# Altium PCB AccessControl_V1.0.1.PcbDoc (part 3 of 3)
Units mm, origin at the board's own origin, x right, y up, seen from the top; angles counter-clockwise.
Board outline 100 x 100 mm, 4 copper layers (Top Layer, GND, PWR, Bottom Layer), stack 1.586 mm thick; 311 components, 177 nets, 938 pads, 517 vias.
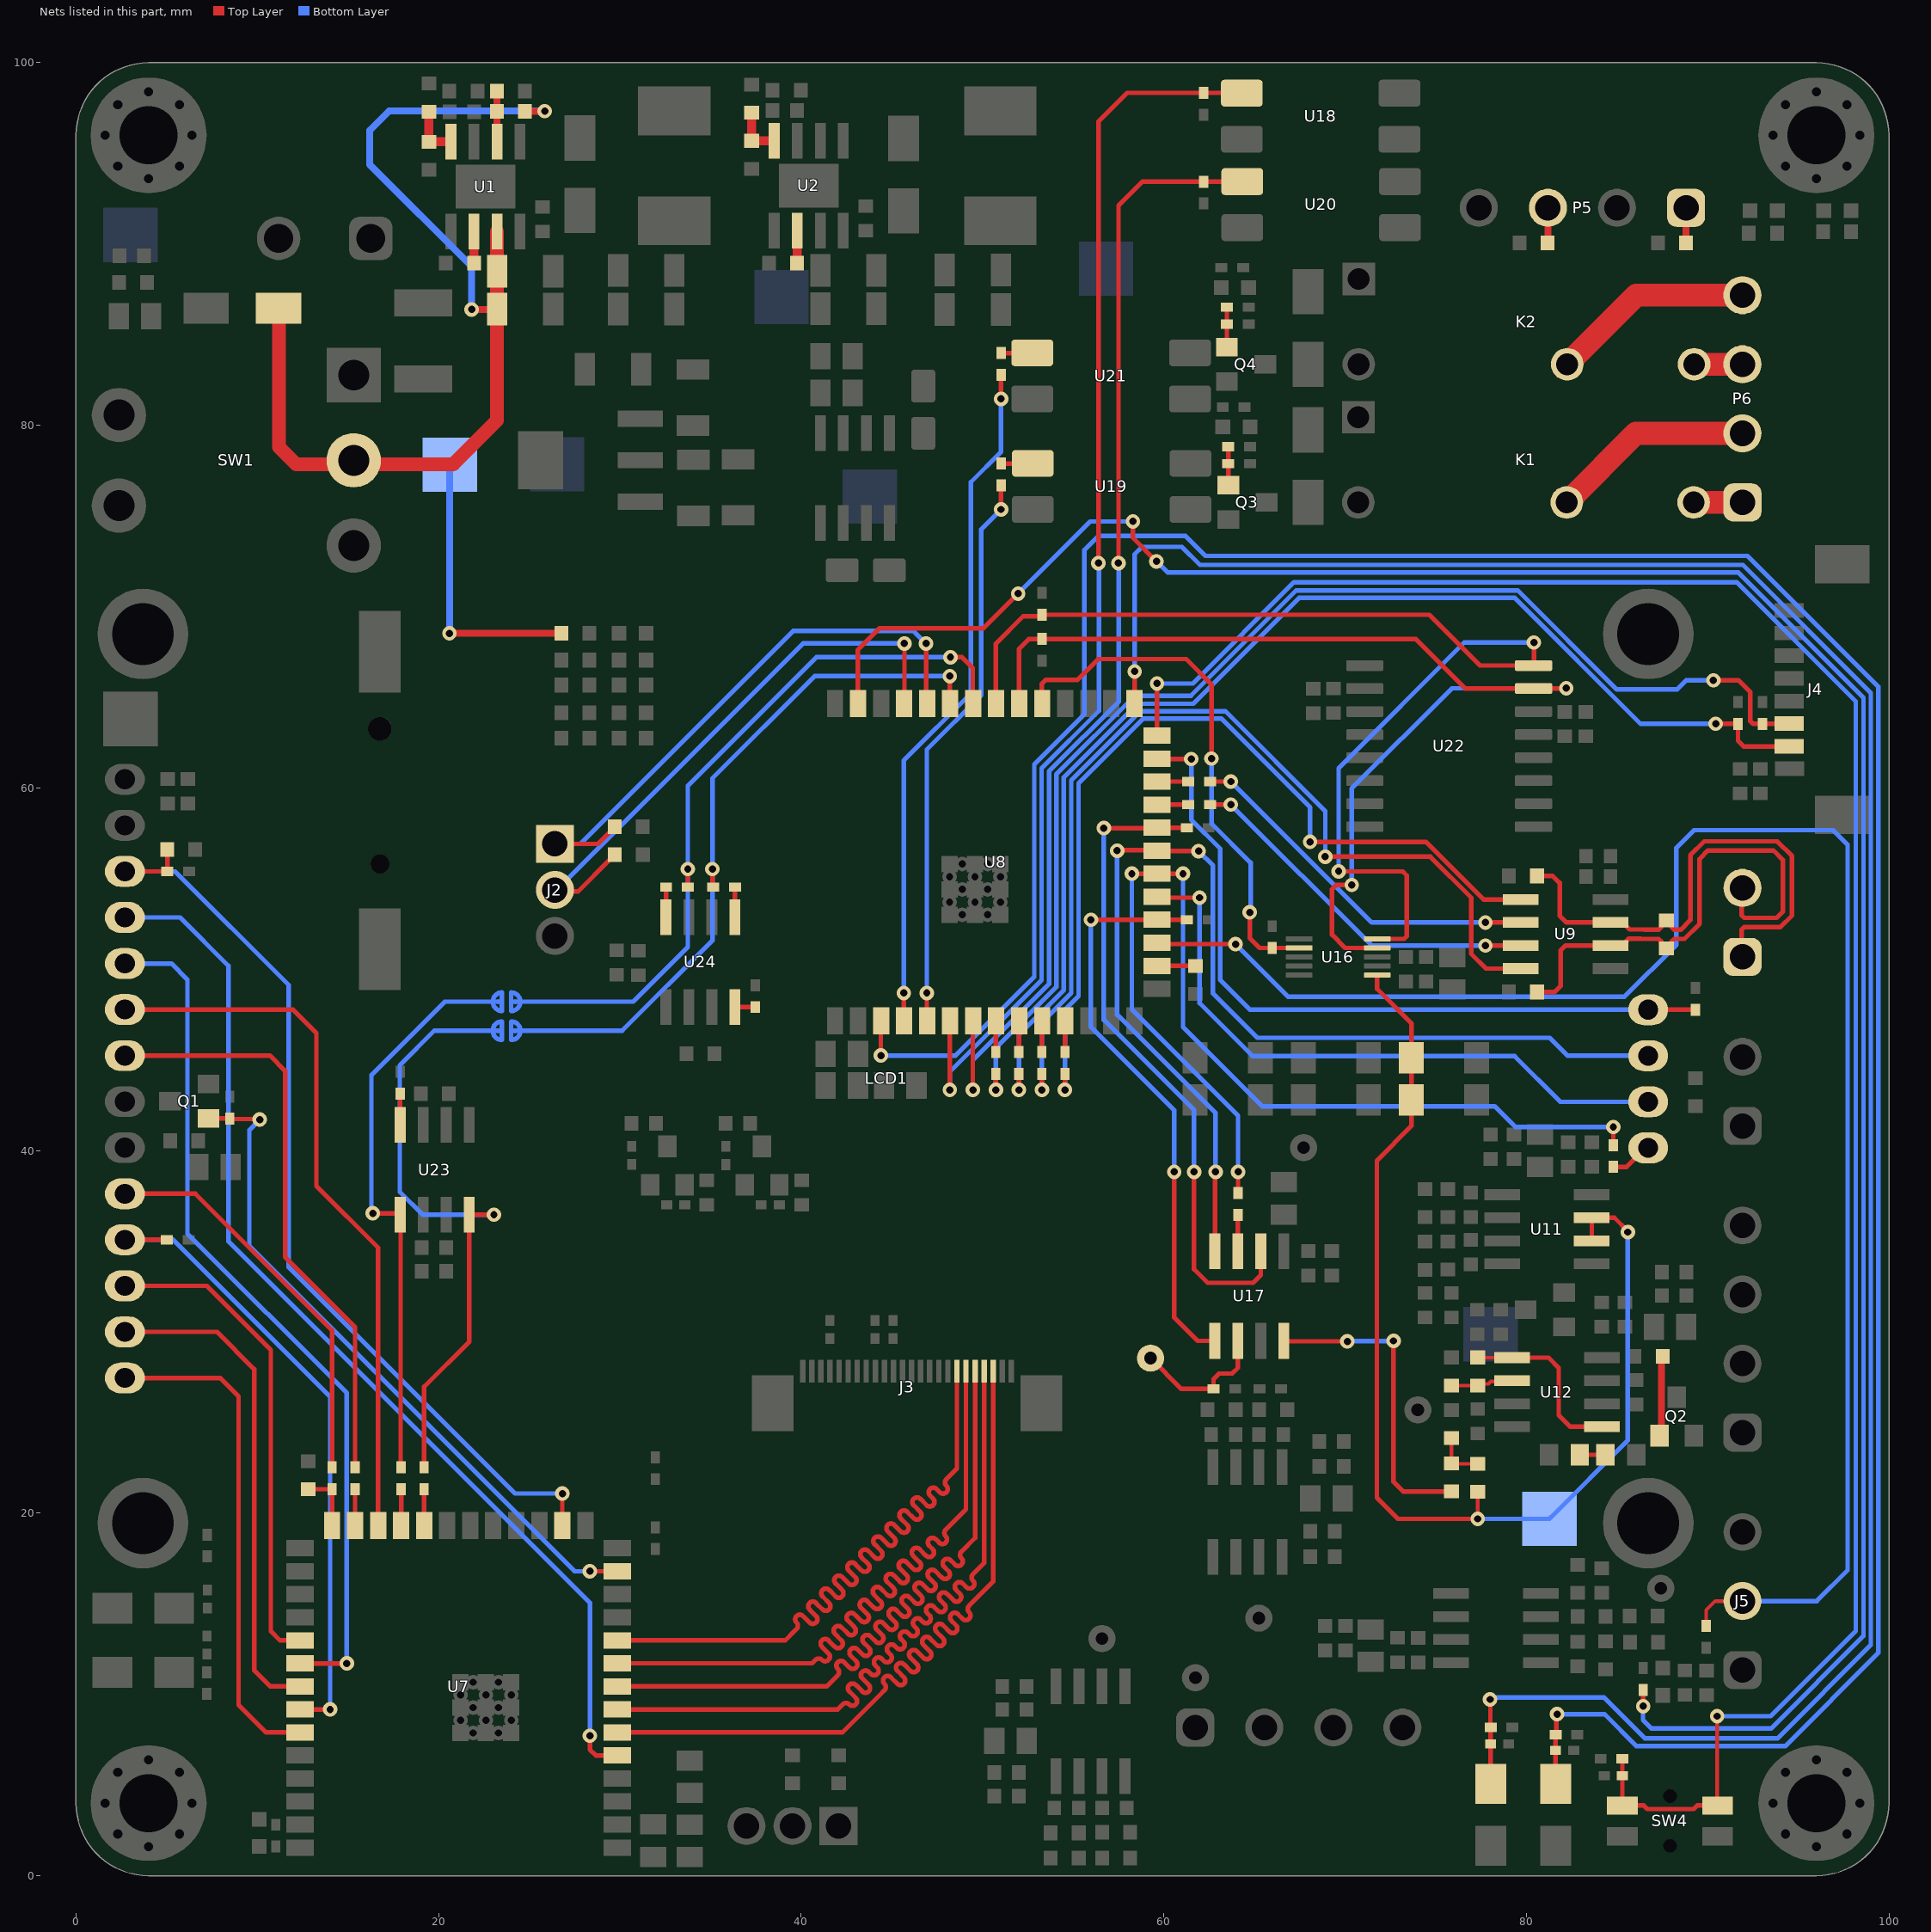
[diagram p5: the nets of this part, all layers, seen from the top]

## Via types
v1: diameter 0.8, hole 0.4, Top Layer to Bottom Layer, tented both sides, 517 vias

## Nets (pads, with @x,y where several pads share a name; then routed paths per layer and width w, separated by ;. In a path a pad name is that pad's centre, name@x,y a point inside that pad or via, vN(x,y) a via of type N, cw(c..) or ccw(c..) an arc to the next point about the centre after c; other vN are vias at no path point) (continued)
NetJ3_18: J3.18 U7.10 | length 44.8
  Top Layer w0.254: U7.10@29.859,12.984 39.121,12.984 39.654,13.517 39.744,13.607 ccw(c39.564,13.787) 39.744,13.966 cw(c39.923,14.146) 39.744,14.326 cw(c39.923,14.146) 40.103,14.326 40.462,13.966 ccw(c40.642,14.146) 40.821,13.966 ccw(c40.642,14.146) 40.821,14.326 40.462,14.685 cw(c40.642,14.864) 40.462,15.044 cw(c40.642,14.864) 40.821,15.044 41.181,14.685 ccw(c41.36,14.864) 41.54,14.685 ccw(c41.36,14.864) 41.54,15.044 41.181,15.403 cw(c41.36,15.583) 41.181,15.762 cw(c41.36,15.583) 41.54,15.762 41.899,15.403 ccw(c42.079,15.583) 42.258,15.403 ccw(c42.079,15.583) 42.258,15.762 41.899,16.122 cw(c42.079,16.301) 41.899,16.481 cw(c42.079,16.301) 42.258,16.481 42.617,16.122 ccw(c42.797,16.301) 42.977,16.122 ccw(c42.797,16.301) 42.977,16.481 42.617,16.84 cw(c42.797,17.02) 42.617,17.199 cw(c42.797,17.02) 42.977,17.199 43.336,16.84 ccw(c43.516,17.02) 43.695,16.84 ccw(c43.516,17.02) 43.695,17.199 43.336,17.559 cw(c43.516,17.738) 43.336,17.918 cw(c43.516,17.738) 43.695,17.918 44.054,17.559 ccw(c44.234,17.738) 44.414,17.559 ccw(c44.234,17.738) 44.414,17.918 44.054,18.277 cw(c44.234,18.457) 44.054,18.636 cw(c44.234,18.457) 44.414,18.636 44.773,18.277 ccw(c44.952,18.457) 45.132,18.277 ccw(c44.952,18.457) 45.132,18.636 44.773,18.995 cw(c44.952,19.175) 44.773,19.355 cw(c44.952,19.175) 45.132,19.355 45.491,18.995 ccw(c45.671,19.175) 45.85,18.995 ccw(c45.671,19.175) 45.85,19.355 45.491,19.714 cw(c45.671,19.893) 45.491,20.073 cw(c45.671,19.893) 45.85,20.073 46.21,19.714 ccw(c46.389,19.893) 46.569,19.714 ccw(c46.389,19.893) 46.569,20.073 46.21,20.432 cw(c46.389,20.612) 46.21,20.791 cw(c46.389,20.612) 46.569,20.791 46.92,20.441 ccw(c47.099,20.62) 47.279,20.441 ccw(c47.099,20.62) 47.279,20.8 47.108,20.971 cw(c47.287,21.151) 47.108,21.33 cw(c47.287,21.151) 47.467,21.33 47.646,21.151 ccw(c47.826,21.33) 48.006,21.151 ccw(c47.826,21.33) 48.006,21.51 cw(c48.185,21.689) 48.006,21.869 48.59,22.454 J3.18@48.59,27.835
NetJ3_19: J3.19 U7.9 | length 44.8
  Top Layer w0.254: U7.9@29.859,11.714 39.721,11.714 40.594,11.714 40.786,11.906 cw(c40.966,11.727) 41.145,11.906 ccw(c41.325,12.086) 41.505,11.906 ccw(c41.325,12.086) 41.505,12.266 41.145,12.625 cw(c41.325,12.804) 41.145,12.984 cw(c41.325,12.804) 41.505,12.984 41.864,12.625 ccw(c42.043,12.804) 42.223,12.625 ccw(c42.043,12.804) 42.223,12.984 41.864,13.343 cw(c42.043,13.523) 41.864,13.702 cw(c42.043,13.523) 42.223,13.702 42.582,13.343 ccw(c42.762,13.523) 42.941,13.343 ccw(c42.762,13.523) 42.941,13.702 42.582,14.062 cw(c42.762,14.241) 42.582,14.421 cw(c42.762,14.241) 42.941,14.421 43.301,14.062 ccw(c43.48,14.241) 43.66,14.062 ccw(c43.48,14.241) 43.66,14.421 43.301,14.78 cw(c43.48,14.96) 43.301,15.139 cw(c43.48,14.96) 43.66,15.139 44.019,14.78 ccw(c44.199,14.96) 44.378,14.78 ccw(c44.199,14.96) 44.378,15.139 44.019,15.498 cw(c44.199,15.678) 44.019,15.858 cw(c44.199,15.678) 44.378,15.858 44.737,15.498 ccw(c44.917,15.678) 45.097,15.498 ccw(c44.917,15.678) 45.097,15.858 44.737,16.217 cw(c44.917,16.396) 44.737,16.576 cw(c44.917,16.396) 45.097,16.576 45.456,16.217 ccw(c45.635,16.396) 45.815,16.217 ccw(c45.635,16.396) 45.815,16.576 45.456,16.935 cw(c45.635,17.115) 45.456,17.294 cw(c45.635,17.115) 45.815,17.294 46.174,16.935 ccw(c46.354,17.115) 46.533,16.935 ccw(c46.354,17.115) 46.533,17.294 46.174,17.654 cw(c46.354,17.833) 46.174,18.013 cw(c46.354,17.833) 46.533,18.013 46.893,17.654 ccw(c47.072,17.833) 47.252,17.654 ccw(c47.072,17.833) 47.252,18.013 47.062,18.203 cw(c47.241,18.383) 47.062,18.562 cw(c47.241,18.383) 47.421,18.562 47.611,18.372 ccw(c47.791,18.552) 47.97,18.372 ccw(c47.791,18.552) 47.97,18.731 cw(c48.15,18.911) 47.97,19.091 49.09,20.21 J3.19@49.09,27.835
NetJ3_20: J3.20 U7.8 | length 44.8
  Top Layer w0.254: U7.8@29.859,10.444 40.652,10.444 41.407,10.444 42.017,11.055 ccw(c41.838,11.234) 42.017,11.414 cw(c42.197,11.593) 42.017,11.773 cw(c42.197,11.593) 42.376,11.773 42.67,11.48 ccw(c42.849,11.659) 43.029,11.48 ccw(c42.849,11.659) 43.029,11.839 42.736,12.132 cw(c42.915,12.312) 42.736,12.492 cw(c42.915,12.312) 43.095,12.492 43.388,12.198 ccw(c43.568,12.378) 43.747,12.198 ccw(c43.568,12.378) 43.747,12.558 43.454,12.851 cw(c43.634,13.03) 43.454,13.21 cw(c43.634,13.03) 43.813,13.21 44.107,12.917 ccw(c44.286,13.096) 44.466,12.917 ccw(c44.286,13.096) 44.466,13.276 44.173,13.569 cw(c44.352,13.749) 44.173,13.928 cw(c44.352,13.749) 44.532,13.928 44.825,13.635 ccw(c45.005,13.815) 45.184,13.635 ccw(c45.005,13.815) 45.184,13.994 44.891,14.288 cw(c45.071,14.467) 44.891,14.647 cw(c45.071,14.467) 45.25,14.647 45.543,14.354 ccw(c45.723,14.533) 45.903,14.354 ccw(c45.723,14.533) 45.903,14.713 45.609,15.006 cw(c45.789,15.186) 45.609,15.365 cw(c45.789,15.186) 45.969,15.365 46.262,15.072 ccw(c46.441,15.252) 46.621,15.072 ccw(c46.441,15.252) 46.621,15.431 46.328,15.724 cw(c46.507,15.904) 46.328,16.084 cw(c46.507,15.904) 46.687,16.084 46.98,15.79 ccw(c47.16,15.97) 47.339,15.79 ccw(c47.16,15.97) 47.339,16.15 47.046,16.443 cw(c47.226,16.622) 47.046,16.802 cw(c47.226,16.622) 47.405,16.802 47.765,16.443 ccw(c47.944,16.622) 48.124,16.443 ccw(c47.944,16.622) 48.124,16.802 47.88,17.046 cw(c48.06,17.225) 47.88,17.405 cw(c48.06,17.225) 48.239,17.405 48.483,17.161 ccw(c48.663,17.341) 48.842,17.161 ccw(c48.663,17.341) 48.842,17.52 cw(c49.022,17.7) 48.842,17.88 49.59,18.628 J3.20@49.59,27.835
NetJ3_21: J3.21 U7.7 | length 44.8
  Top Layer w0.254: U7.7@29.859,9.174 41.308,9.174 42.016,9.174 42.29,9.448 cw(c42.47,9.269) 42.65,9.448 ccw(c42.829,9.628) 43.009,9.448 ccw(c42.829,9.628) 43.009,9.808 42.65,10.167 cw(c42.829,10.346) 42.65,10.526 cw(c42.829,10.346) 43.009,10.526 43.368,10.167 ccw(c43.548,10.346) 43.727,10.167 ccw(c43.548,10.346) 43.727,10.526 43.368,10.885 cw(c43.548,11.065) 43.368,11.244 cw(c43.548,11.065) 43.727,11.244 43.843,11.129 ccw(c44.022,11.309) 44.202,11.129 ccw(c44.022,11.309) 44.202,11.488 44.087,11.604 cw(c44.266,11.783) 44.087,11.963 cw(c44.266,11.783) 44.446,11.963 44.561,11.847 ccw(c44.741,12.027) 44.92,11.847 ccw(c44.741,12.027) 44.92,12.207 44.805,12.322 cw(c44.985,12.502) 44.805,12.681 cw(c44.985,12.502) 45.164,12.681 45.28,12.566 ccw(c45.459,12.745) 45.639,12.566 ccw(c45.459,12.745) 45.639,12.925 45.523,13.04 cw(c45.703,13.22) 45.523,13.4 cw(c45.703,13.22) 45.883,13.4 45.998,13.284 ccw(c46.178,13.464) 46.357,13.284 ccw(c46.178,13.464) 46.357,13.643 46.242,13.759 cw(c46.421,13.938) 46.242,14.118 cw(c46.421,13.938) 46.601,14.118 46.716,14.003 ccw(c46.896,14.182) 47.076,14.003 ccw(c46.896,14.182) 47.076,14.362 46.96,14.477 cw(c47.14,14.657) 46.96,14.836 cw(c47.14,14.657) 47.319,14.836 47.543,14.613 ccw(c47.723,14.793) 47.902,14.613 ccw(c47.723,14.793) 47.902,14.972 47.679,15.196 cw(c47.858,15.375) 47.679,15.555 cw(c47.858,15.375) 48.038,15.555 48.397,15.196 ccw(c48.577,15.375) 48.756,15.196 ccw(c48.577,15.375) 48.756,15.555 48.55,15.761 cw(c48.73,15.94) 48.55,16.12 cw(c48.73,15.94) 48.91,16.12 49.115,15.914 ccw(c49.295,16.094) 49.475,15.914 ccw(c49.295,16.094) 49.475,16.273 cw(c49.654,16.453) 49.475,16.633 49.922,17.08 50.09,17.248 J3.21@50.09,27.835
NetJ3_22: J3.22 U7.6 | length 44.8
  Top Layer w0.254: U7.6@29.859,7.904 42.27,7.904 44.501,10.135 44.591,10.224 ccw(c44.411,10.404) 44.591,10.584 cw(c44.77,10.763) 44.591,10.943 cw(c44.77,10.763) 44.95,10.943 45.309,10.584 ccw(c45.489,10.763) 45.668,10.584 ccw(c45.489,10.763) 45.668,10.943 45.309,11.302 cw(c45.489,11.482) 45.309,11.661 cw(c45.489,11.482) 45.668,11.661 46.027,11.302 ccw(c46.207,11.482) 46.387,11.302 ccw(c46.207,11.482) 46.387,11.661 46.027,12.02 cw(c46.207,12.2) 46.027,12.38 cw(c46.207,12.2) 46.387,12.38 46.746,12.02 ccw(c46.925,12.2) 47.105,12.02 ccw(c46.925,12.2) 47.105,12.38 46.746,12.739 cw(c46.925,12.918) 46.746,13.098 cw(c46.925,12.918) 47.105,13.098 47.464,12.739 ccw(c47.644,12.918) 47.824,12.739 ccw(c47.644,12.918) 47.824,13.098 47.464,13.457 cw(c47.644,13.637) 47.464,13.817 cw(c47.644,13.637) 47.824,13.817 48.183,13.457 ccw(c48.362,13.637) 48.542,13.457 ccw(c48.362,13.637) 48.542,13.817 48.291,14.068 cw(c48.47,14.247) 48.291,14.427 cw(c48.47,14.247) 48.65,14.427 48.901,14.176 ccw(c49.081,14.355) 49.26,14.176 ccw(c49.081,14.355) 49.26,14.535 cw(c49.44,14.715) 49.26,14.894 50.59,16.224 J3.22@50.59,27.835
NetJ4_2: J4.2 R41.1 R43.2 | length 67.2
  Top Layer w0.254: v1(52.01,43.341) R43.2@52.01,44.231 ; v1(90.449,63.539) R41.1@91.676,63.539 91.676,62.603 91.991,62.289 J4.2@94.496,62.289
  Bottom Layer w0.254: v1(52.01,43.341) 52.01,46.377 54.489,48.857 54.489,60.588 58.544,64.643 61.633,64.643 67.475,70.485 79.359,70.485 86.305,63.539 v1(90.449,63.539)
NetJ4_3: J4.3 R42.1 R44.2 | length 68.7
  Top Layer w0.254: v1(50.74,43.341) R44.2@50.74,44.231 ; v1(90.322,65.938) 91.698,65.938 92.354,65.282 92.354,63.687 92.503,63.539 R42.1@93.032,63.539 J4.3@94.496,63.539
  Bottom Layer w0.254: v1(50.74,43.341) 50.74,45.682 54.077,49.019 54.077,60.75 58.407,65.081 61.497,65.081 67.307,70.891 79.527,70.891 84.988,65.43 88.316,65.43 88.824,65.938 v1(90.322,65.938)
NetJ5_2: J5.2 R95.1 U8.17 | length 96.2
  Top Layer w0.203: R95.1@89.925,13.775 89.925,14.65 90.425,15.15 J5.2@91.875,15.15
  Top Layer w0.254: U8.17@59.61,51.459 U8.17@59.627,51.459 59.7,51.386 v1(63.96,51.386)
  Bottom Layer w0.254: v1(63.96,51.386) 66.857,48.489 85.414,48.489 88.275,51.35 88.275,56.7 89.25,57.675 96.925,57.675 97.725,56.875 97.725,16.85 96.025,15.15 J5.2@91.875,15.15
NetJ7_1: J7.1 R98.2 U23.1 | length 31.8
  Top Layer w0.254: v1(16.368,36.539) 17.806,36.539 17.908,36.437 17.908,22.546 R98.2@17.934,22.52
  Bottom Layer w0.254: v1(16.368,36.539) 16.293,36.615 16.293,44.161 20.341,48.209 22.987,48.209 J7.1@23.292,48.209
NetJ7_2: J7.2 R103.2 U8.34 | length 41.5
  Top Layer w0.254: R103.2@33.747,54.534 v1(33.747,55.524) ; v1(48.235,67.208) 48.87,67.208 49.47,66.608 U8.34@49.47,64.654
  Bottom Layer w0.254: J7.2@24.206,48.209 30.734,48.209 33.747,51.222 v1(33.747,55.524) 33.747,60.122 40.833,67.208 v1(48.235,67.208)
NetJ8_1: J8.1 R102.2 U23.4 | length 35.3
  Top Layer w0.254: R102.2@19.204,22.52 19.204,26.976 21.692,29.464 U23.4@21.692,36.463 v1(23.052,36.463)
  Bottom Layer w0.254: v1(23.052,36.463) 19.112,36.463 17.856,37.719 17.856,44.704 19.761,46.609 22.987,46.609 J8.1@23.292,46.609
NetJ8_2: J8.2 R99.2 U8.35 | length 39.9
  Top Layer w0.254: v1(35.103,55.524) 35.103,54.578 R99.2@35.147,54.534 ; U8.35@48.2,64.654 v1(48.2,66.167)
  Bottom Layer w0.254: J8.2@24.206,46.609 30.124,46.609 35.103,51.587 v1(35.103,55.524) 35.103,60.528 40.742,66.167 v1(48.2,66.167)
NetK1_3: K1.3 P6.2 | length 11.2
  Top Layer w1.27: K1.3@82.303,75.822 86.04,79.559 P6.2@91.923,79.559
NetK1_4: K1.4 P6.1 | length 2.7
  Top Layer w1.27: K1.4@89.23,75.749 P6.1@91.923,75.749
NetK2_3: K2.3 P6.4 | length 11.2
  Top Layer w1.27: K2.3@82.256,83.369 86.066,87.179 P6.4@91.923,87.179
NetK2_4: K2.4 P6.3 | length 2.7
  Top Layer w1.27: K2.4@89.256,83.369 P6.3@91.923,83.369
NetLCD1_3: LCD1.3 R20.2 R34.1 U7.16 | length 52.8
  Top Layer w0.254: LCD1.3@2.692,55.397 R34.1@5.039,55.397 5.039,56.587 R20.2@5.025,56.6 ; U7.16@26.824,19.314 v1(26.824,21.08)
  Bottom Layer w0.254: LCD1.3@2.692,55.397 5.461,55.397 11.735,49.124 11.735,33.565 24.22,21.08 v1(26.824,21.08)
NetLCD1_4: LCD1.4 U7.5 | length 60
  Top Layer w0.254: v1(28.346,7.722) 28.346,6.957 28.669,6.634 U7.5@29.859,6.634
  Bottom Layer w0.254: LCD1.4@2.692,52.857 5.74,52.857 8.407,50.19 8.407,34.993 28.346,15.054 v1(28.346,7.722)
NetLCD1_5: LCD1.5 U7.32 | length 47.8
  Top Layer w0.254: U7.32@12.359,11.709 v1(14.935,11.709)
  Bottom Layer w0.254: LCD1.5@2.692,50.317 5.258,50.317 6.147,49.428 6.147,35.412 14.935,26.624 v1(14.935,11.709)
NetLCD1_6: LCD1.6 U7.24 | length 39.7
  Top Layer w0.254: LCD1.6@2.692,47.777 11.963,47.777 13.259,46.482 13.259,38.041 16.664,34.636 U7.24@16.664,19.314
NetLCD1_7: LCD1.7 R35.2 | length 32.7
  Top Layer w0.254: LCD1.7@2.692,45.237 10.693,45.237 11.532,44.399 11.532,34.127 15.394,30.265 R35.2@15.394,22.52
NetLCD1_10: LCD1.10 R36.2 | length 22.1
  Top Layer w0.254: LCD1.10@2.692,37.617 6.583,37.617 14.124,30.076 R36.2@14.124,22.52
NetLCD1_11: LCD1.11 R33.1 U7.34 | length 36.1
  Top Layer w0.254: LCD1.11@2.692,35.077 R33.1@5.013,35.077 ; U7.34@12.359,9.174 v1(14.016,9.174)
  Bottom Layer w0.254: LCD1.11@2.692,35.077 5.359,35.077 14.016,26.421 v1(14.016,9.174)
NetLCD1_12: LCD1.12 U7.31 | length 26.9
  Top Layer w0.254: LCD1.12@2.692,32.537 7.214,32.537 10.744,29.007 10.744,13.487 11.248,12.984 U7.31@12.359,12.984
NetLCD1_13: LCD1.13 U7.33 | length 27.5
  Top Layer w0.254: LCD1.13@2.692,29.997 7.772,29.997 9.83,27.94 9.83,11.328 10.714,10.444 U7.33@12.359,10.444
NetLCD1_14: LCD1.14 U7.35 | length 27.7
  Top Layer w0.254: LCD1.14@2.692,27.457 7.95,27.457 8.966,26.441 8.966,9.423 10.486,7.904 U7.35@12.359,7.904
NetLCD1_15: LCD1.15 R37.1 U8.25 | length 41.7
  Top Layer w0.254: U8.25@59.61,61.619 U8.25@59.627,61.619 59.633,61.619 59.657,61.595 v1(61.519,61.595) ; LCD1.15@86.722,47.767 86.725,47.765 89.322,47.765 R37.1@89.325,47.762
  Bottom Layer w0.254: v1(61.519,61.595) 61.519,58.242 63.119,56.642 63.119,49.403 64.755,47.767 LCD1.15@86.722,47.767
NetLCD1_16: LCD1.16 U8.21 U17.4 | length 62.5
  Top Layer w0.254: v1(57.429,56.54) 57.455,56.566 59.6,56.566 U8.21@59.627,56.539 59.651,56.515 v1(61.925,56.515) ; U17.4@62.816,34.452 62.836,34.472 62.836,38.805 v1(62.856,38.825)
  Bottom Layer w0.254: v1(57.429,56.54) 57.429,47.496 62.856,42.069 v1(62.856,38.825) ; v1(61.925,56.515) 62.713,55.728 62.713,48.666 65.162,46.217 81.291,46.217 82.281,45.227 LCD1.16@86.722,45.227
NetLCD1_17: LCD1.17 U8.19 | length 35.2
  Top Layer w0.254: U8.19@59.61,53.999 U8.19@59.627,53.999 59.676,53.95 v1(61.976,53.95)
  Bottom Layer w0.254: v1(61.976,53.95) 61.976,48.133 64.897,45.212 79.35,45.212 81.874,42.687 LCD1.17@86.722,42.687
NetLCD1_18: LCD1.18 R38.2 | length 2.4
  Top Layer w0.254: R38.2@84.8,39.1 85.535,39.1 86.582,40.147 LCD1.18@86.722,40.147 LCD1.18@86.722,40.147 LCD1.18@86.725,40.144
NetP5_1: P5.1 R81.2 | length 1.9
  Top Layer w0.381: R81.2@88.811,90.068 P5.1@88.81,92
NetP5_3: P5.3 R87.2 | length 1.9
  Top Layer w0.381: R87.2@81.178,90.068 81.184,90.074 81.184,91.994 P5.3@81.19,92
NetQ1_1: Q1.1 R40.2 U7.13 | length 37.8
  Top Layer w0.254: Q1.1@7.308,41.773 7.314,41.767 R40.2@8.484,41.767 8.514,41.737 10.104,41.737 v1(10.135,41.707) ; v1(28.346,16.794) U7.13@29.859,16.794
  Bottom Layer w0.254: v1(10.135,41.707) 9.557,41.129 9.557,34.743 27.506,16.794 v1(28.346,16.794)
NetQ2_1: Q2.1 R59.2 | length 4.5
  Top Layer w0.381: Q2.1@87.348,24.271 87.447,24.37 87.447,28.578 R59.2@87.52,28.651
NetQ3_1: Q3.1 R83.2 R85.2 | length 2.1
  Top Layer w0.254: Q3.1@63.558,76.699 R85.2@63.558,77.883 R83.2@63.558,78.822
NetQ4_1: Q4.1 R92.2 R93.2 | length 2.2
  Top Layer w0.254: Q4.1@63.481,84.319 R93.2@63.481,85.579 R92.2@63.481,86.519
NetR1_1: R1.1 R4.2 U1.4 | length 2.9
  Top Layer w0.508: R4.2@19.464,97.306 R1.1@19.464,95.642 U1.4@20.684,95.642
NetR2_1: R2.1 R5.2 U2.4 | length 2.8
  Top Layer w0.508: R5.2@37.27,97.244 R2.1@37.27,95.694 38.513,95.694 U2.4@38.514,95.693
NetR3_1: R3.1 R6.2 U1.2 | length 2.8
  Top Layer w0.381: R6.2@23.211,98.436 23.217,98.43 23.217,95.655 23.224,95.649 U1.2@23.224,95.642
NetR7_2: R7.2 U1.6 | length 1.8
  Top Layer w0.508: R7.2@21.954,88.886 R7.2@21.954,88.951 U1.6@21.954,90.692
NetR9_2: R9.2 U2.6 | length 1.8
  Top Layer w0.508: R9.2@39.772,88.951 39.778,88.957 39.778,90.737 U2.6@39.784,90.743
NetR19_2: R19.2 R36.1 U7.26 | length 3.3
  Top Layer w0.254: R19.2@12.8,21.32 R36.1@14.124,21.32 U7.26@14.124,19.314
NetR24_2: R24.2 U8.16 | length 2.1
  Top Layer w0.254: U8.16@59.627,50.189 R24.2@61.747,50.189
NetR35_1: R35.1 U7.25 | length 2
  Top Layer w0.254: U7.25@15.394,19.314 R35.1@15.394,21.32
NetR38_1: R38.1 R80.1 U8.20 | length 58.3
  Top Layer w0.254: v1(58.242,55.269) U8.20@59.627,55.269 v1(61.063,55.269) ; R80.1@64.1,37.65 v1(64.1,38.825) ; R38.1@84.8,40.3 v1(84.8,41.3)
  Bottom Layer w0.254: v1(58.242,55.269) 58.242,47.783 64.1,41.925 v1(64.1,38.825) ; v1(61.063,55.269) 61.063,46.815 65.435,42.443 78.257,42.443 79.401,41.3 v1(84.8,41.3)
NetR43_1: R43.1 U8.9 | length 1.7
  Top Layer w0.254: R43.1@52.01,45.431 U8.9@52.01,47.154
NetR44_1: R44.1 U8.8 | length 1.7
  Top Layer w0.254: R44.1@50.74,45.431 U8.8@50.74,47.154
NetR46_1: R46.1 U8.11 | length 1.7
  Top Layer w0.254: R46.1@54.55,45.431 U8.11@54.55,47.154
NetR46_2: R46.2 U9.1 | length 49.2
  Top Layer w0.254: v1(54.55,43.341) R46.2@54.55,44.231 ; v1(68.072,57.023) 74.463,57.023 77.638,53.848 U9.1@79.694,53.848
  Bottom Layer w0.254: v1(54.55,43.341) 54.55,47.768 55.302,48.52 55.302,60.252 58.881,63.83 63.17,63.83 68.072,58.928 v1(68.072,57.023)
NetR47_1: R47.1 U8.24 | length 1.7
  Top Layer w0.254: U8.24@59.61,60.349 U8.24@59.627,60.349 59.629,60.35 R47.1@61.351,60.35
NetR47_2: R47.2 U9.2 | length 20.3
  Top Layer w0.254: R47.2@62.551,60.35 v1(63.703,60.35) ; v1(77.748,52.578) U9.2@79.694,52.578
  Bottom Layer w0.254: v1(63.703,60.35) 71.476,52.578 77.716,52.578 v1@77.718,52.581
NetR49_1: R49.1 U8.23 | length 1.7
  Top Layer w0.254: U8.23@59.61,59.079 U8.23@59.627,59.079 59.629,59.08 R49.1@61.351,59.08
NetR49_2: R49.2 U9.3 | length 20.4
  Top Layer w0.254: R49.2@62.551,59.08 v1(63.703,59.08) ; v1(77.748,51.308) U9.3@79.694,51.308
  Bottom Layer w0.254: v1(63.703,59.08) 71.476,51.308 v1(77.748,51.308)
NetR50_1: R50.1 U8.10 | length 1.7
  Top Layer w0.254: R50.1@53.28,45.431 U8.10@53.28,47.154
NetR50_2: R50.2 U9.4 | length 54.2
  Top Layer w0.254: v1(53.28,43.341) R50.2@53.28,44.231 ; v1(68.91,56.21) 74.701,56.21 76.962,53.95 76.962,50.851 77.775,50.038 U9.4@79.694,50.038
  Bottom Layer w0.254: v1(53.28,43.341) 53.28,47.073 54.896,48.689 54.896,60.42 58.712,64.237 63.398,64.237 68.91,58.725 v1(68.91,56.21)
NetR56_1: R56.1 U17.8 | length 17.3
  Top Layer w0.254: U17.8@66.626,29.502 66.653,29.475 v1(70.125,29.475) ; v1(72.675,29.5) 72.675,21.725 73.204,21.196 R56.1@75.87,21.196
  Bottom Layer w0.254: v1(70.125,29.475) 70.138,29.488 72.663,29.488 v1(72.675,29.5)
NetR56_2: R56.2 R57.2 R58.1 | length 2.9
  Top Layer w0.203: R58.1@75.87,24.143 R56.2@75.87,22.746 75.895,22.72 R57.2@77.318,22.72
NetR60_1: R60.1 R61.2 U12.2 | length 3.5
  Top Layer w0.203: R61.2@75.87,27.038 R60.1@77.318,27.038 ; R60.1@77.318,27.013 77.44,27.135 77.91,27.135 78.041,27.266 79.172,27.266 U12.2@79.211,27.305
NetR60_2: R60.2 U12.1 U12.5 | length 10
  Top Layer w0.203: R60.2@77.318,28.588 77.33,28.575 U12.1@79.211,28.575
  Top Layer w0.254: U12.1@79.211,28.575 81.229,28.575 81.788,28.016 81.788,25.4 82.423,24.765 U12.5@84.161,24.765
NetR62_1: R62.1 R63.1 | length 1.4
  Top Layer w0.254: R63.1@82.949,23.216 R62.1@84.357,23.216
NetR74_1: R74.1 TP16.1 U17.6 | length 7.8
  Top Layer w0.254: TP16.1@59.275,28.55 60.971,26.854 R74.1@62.746,26.854 62.746,27.396 63.05,27.7 63.775,27.7 64.086,28.011 U17.6@64.086,29.502
NetR77_1: R77.1 U8.31 U16.2 | length 29.5
  Top Layer w0.254: U8.31@53.28,64.654 53.28,65.751 53.492,65.964 55.245,65.964 56.388,67.107 61.239,67.107 62.636,65.71 v1(62.636,61.62) ; v1(64.745,53.137) 64.745,51.717 65.289,51.173 R77.1@65.989,51.173 U16.2@67.471,51.173
  Bottom Layer w0.254: v1(62.636,61.62) 62.636,58.039 64.795,55.88 64.795,53.188 v1(64.745,53.137)
NetR78_1: R78.1 U8.22 U17.2 | length 36.5
  Top Layer w0.254: v1(56.693,57.785) 59.586,57.785 59.61,57.809 U8.22@59.627,57.809 R78.1@61.274,57.809 ; v1(61.675,38.825) 61.675,33.45 62.425,32.7 64.925,32.7 65.356,33.131 U17.2@65.356,34.452
  Bottom Layer w0.254: v1(56.693,57.785) 56.693,47.207 61.675,42.225 v1(61.675,38.825)
NetR79_1: R79.1 U8.18 U17.5 | length 31.9
  Top Layer w0.254: v1(55.982,52.729) U8.18@59.627,52.729 R79.1@61.274,52.729 ; v1(60.575,38.825) 60.575,30.8 61.873,29.502 U17.5@62.816,29.502
  Bottom Layer w0.254: v1(55.982,52.729) 55.982,46.818 60.575,42.225 v1(60.575,38.825)
NetR80_2: R80.2 U17.3 | length 2
  Top Layer w0.254: U17.3@64.086,34.452 64.093,34.459 64.093,36.443 R80.2@64.1,36.45
NetR82_1: R82.1 U8.5 | length 31.2
  Top Layer w0.254: U8.5@46.93,47.154 v1(46.93,48.692) ; v1(51.029,75.362) R82.1@51.029,76.692
  Bottom Layer w0.254: v1(46.93,48.692) 46.93,62.119 49.936,65.126 49.936,74.27 v1(51.029,75.362)
NetR82_2: R82.2 U19.1 | length 1.7
  Top Layer w0.254: R82.2@51.029,77.892 52.765,77.892 U19.1@52.775,77.902
NetR84_2: R84.2 U8.6 U18.3 | length 69.2
  Top Layer w0.254: v1(48.2,43.341) U8.6@48.2,47.154 ; v1(56.4,72.4) 56.4,96.761 57.979,98.339 R84.2@62.205,98.339 64.29,98.339 U18.3@64.306,98.323
  Bottom Layer w0.254: v1(48.2,43.341) 48.2,44.339 53.264,49.403 53.264,61.087 56.428,64.252 56.428,72.372 v1(56.4,72.4)
NetR88_2: R88.2 U8.7 U20.3 | length 63.3
  Top Layer w0.254: v1(49.47,43.341) U8.7@49.47,47.154 ; v1(57.5,72.4) 57.506,72.406 57.506,92.126 58.817,93.437 R88.2@62.205,93.437 64.322,93.437 U20.3@64.332,93.447
  Bottom Layer w0.254: v1(49.47,43.341) 49.47,44.987 53.67,49.187 53.67,60.919 57.521,64.769 57.521,72.379 v1(57.5,72.4)
NetR91_1: R91.1 U8.4 | length 37.9
  Top Layer w0.254: U8.4@45.66,47.154 v1(45.66,48.692) ; v1(51.029,81.458) R91.1@51.029,82.788
  Bottom Layer w0.254: v1(45.66,48.692) 45.66,61.509 49.36,65.209 49.36,76.868 51.029,78.537 v1(51.029,81.458)
NetR91_2: R91.2 U21.1 | length 1.7
  Top Layer w0.254: R91.2@51.029,83.988 52.74,83.988 U21.1@52.749,83.998
NetR96_1: R96.1 U8.33 U16.10 U22.16 | length 64.3
  Top Layer w0.254: U8.33@50.74,64.654 50.74,67.961 52.253,69.474 R96.1@53.315,69.474 ; R96.1@53.315,69.555 74.641,69.555 77.445,66.751 U22.16@80.398,66.751 80.416,66.77 v1(80.416,68.021) ; v1(69.647,55.397) 73.177,55.397 73.406,55.169 73.406,51.822 73.257,51.673 U16.10@71.771,51.673
  Bottom Layer w0.254: v1(69.647,55.397) 69.647,61.087 76.581,68.021 v1(80.416,68.021)
NetR97_1: R97.1 U8.32 U16.9 U22.15 | length 60.5
  Top Layer w0.254: U8.32@52.01,64.654 52.01,67.656 52.568,68.215 R97.1@53.289,68.215 73.898,68.215 76.622,65.491 U22.15@80.398,65.491 ; v1(70.369,54.646) 69.505,54.646 69.282,54.423 69.282,52.934 69.282,51.902 70.01,51.173 U16.9@71.771,51.173 ; U22.15@80.398,65.491 82.191,65.491 v1(82.2,65.5)
  Bottom Layer w0.254: v1(70.369,54.646) 70.369,59.969 75.9,65.5 v1(82.2,65.5)
NetR98_1: R98.1 U7.23 | length 2
  Top Layer w0.254: U7.23@17.934,19.314 R98.1@17.934,21.32
NetR99_1: R99.1 U24.1 | length 1.7
  Top Layer w0.254: U24.1@36.347,52.869 R99.1@36.347,54.534
NetR102_1: R102.1 U7.22 | length 2
  Top Layer w0.254: U7.22@19.204,19.314 R102.1@19.204,21.32
NetR103_1: R103.1 U24.4 | length 1.7
  Top Layer w0.254: U24.4@32.537,52.869 32.542,52.873 32.542,54.529 R103.1@32.547,54.534
NetR104_1: R104.1 U23.8 | length 1
  Top Layer w0.254: R104.1@17.882,43.139 17.882,42.367 U23.8@18.016,42.233
NetR105_1: R105.1 U24.8 | length 1.1
  Top Layer w0.254: U24.8@36.347,47.919 36.352,47.914 R105.1@37.465,47.914
RS485_N: P2.1 R48.1 R51.1 U9.7 | length 29.3
  Top Layer w0.254: R51.1@80.59,55.143 81.458,55.143 81.839,54.762 81.839,52.959 82.22,52.578 U9.7@84.644,52.578 85.329,52.578 85.71,52.197 86.496,52.197 86.514,52.179 87.297,52.179 87.446,52.328 87.446,52.446 87.7,52.7 R48.1@87.725,52.7 87.75,52.7 88.004,52.446 88.004,52.328 88.153,52.179 88.512,52.179 89.05,52.717 89.05,56.293 89.815,57.058 93.842,57.058 94.658,56.242 94.658,52.965 94.022,52.329 92.023,52.329 91.875,52.18 P2.1@91.875,50.678
RS485_P: P2.2 R45.1 R48.2 U9.6 | length 27.7
  Top Layer w0.254: R45.1@80.59,48.743 81.559,48.743 81.89,49.073 81.89,51.029 82.169,51.308 U9.6@84.644,51.308 85.329,51.308 85.502,51.481 85.502,51.54 85.651,51.689 86.285,51.689 86.303,51.671 87.297,51.671 87.446,51.522 87.446,51.404 87.7,51.15 R48.2@87.725,51.15 87.75,51.15 88.004,51.404 88.004,51.522 88.153,51.671 88.723,51.671 89.558,52.506 89.558,56.083 90.025,56.55 93.632,56.55 94.15,56.032 94.15,53.175 93.812,52.837 92.023,52.837 91.875,52.985 P2.2@91.875,54.488
VCC: C3.2 C4.2 D3.1 R3.2 R11.2 SW1.2 TP4.1 U1.7 | length 76.7
  Top Layer w0.381: v1(20.6,68.525) R11.2@26.775,68.525 ; v1(21.821,86.391) 23.193,86.391 C3.2@23.224,86.422 ; R3.2@24.76,97.319 24.767,97.326 25.85,97.326 v1(25.857,97.333)
  Top Layer w0.762: D3.1@11.201,86.081 11.201,78.791 12.134,77.858 20.81,77.858 23.224,80.272 C3.2@23.224,86.422 C4.2@23.224,88.505 ; U1.7@23.224,90.692 23.224,88.534 C4.2@23.253,88.505
  Bottom Layer w0.254: SW1.2@15.316,77.858 SW1.2@15.816,77.858
  Bottom Layer w0.381: TP4.1@20.592,77.858 20.6,77.85 v1(20.6,68.525) ; v1(21.821,86.391) 21.821,88.771 16.205,94.386 16.205,96.266 17.272,97.333 v1(25.857,97.333)
  Bottom Layer w0.762: SW1.2@15.816,77.858 TP4.1@20.592,77.858
Vref_0.75V: D15.A D16.C R57.1 TP9.1 U11.6 U11.7 U16.6 | length 63
  Top Layer w0.203: v1(77.318,19.685) R57.1@77.318,21.171
  Top Layer w0.254: U16.6@71.771,49.673 71.771,48.911 73.663,47.019 D15.A@73.663,45.11 D16.C@73.663,42.799 73.663,41.355 71.755,39.446 71.755,20.845 72.915,19.685 v1(77.318,19.685) ; U11.6@83.611,35.02 U11.7@83.611,36.29 83.615,36.295 84.857,36.295 85.6,35.552 v1(85.6,35.5)
  Bottom Layer w0.254: v1(77.318,19.685) 81.271,19.685 TP9.1@81.275,19.689 ; TP9.1@81.33,19.745 85.6,24.014 v1(85.6,35.5)
WF_EN: C38.2 R27.1 SW6.2 U8.3 | length 162.2
  Top Layer w0.254: U8.3@44.39,47.154 44.396,47.147 v1(44.396,45.242) ; SW6.2@81.615,5.058 C38.2@81.615,6.914 R27.1@81.615,7.778 81.658,7.821 81.658,8.867 v1(81.702,8.91)
  Bottom Layer w0.254: v1(44.396,45.242) 48.518,45.242 52.857,49.581 52.857,61.297 55.626,64.065 55.626,73.127 56.399,73.9 61.2,73.9 62.3,72.8 92.198,72.8 99.413,65.586 99.413,12.288 94.275,7.15 86.075,7.15 84.315,8.91 v1(81.702,8.91)
WF_FLASH: C37.2 R26.1 SW5.2 U8.27 | length 133.7
  Top Layer w0.254: U8.27@58.365,64.649 58.395,64.678 v1(58.395,66.427) ; v1(78,9.725) 78.017,9.708 78.017,8.201 R26.1@78.033,8.184 C37.2@78.033,7.27 SW5.2@78.033,5.058
  Bottom Layer w0.254: v1(58.395,66.427) 58.395,72.895 58.8,73.3 61,73.3 62,72.3 91.95,72.3 99.006,65.244 99.006,12.731 93.85,7.575 86.55,7.575 84.3,9.825 78.1,9.825 v1(78,9.725)
WF_LED_STATUS: R28.1 U8.39 | length 133.8
  Top Layer w0.254: U8.39@43.12,64.654 43.12,67.605 44.323,68.809 50.053,68.809 v1(51.966,70.722) ; v1(58.3,74.7) 58.293,74.693 58.293,73.807 v1(59.6,72.5) ; v1(86.45,9.35) R28.1@86.45,10.25
  Bottom Layer w0.254: v1(51.966,70.722) 55.945,74.7 v1(58.3,74.7) ; v1(59.6,72.5) 60.206,71.894 91.681,71.894 97.025,66.55 98.6,64.975 98.6,13.225 93.496,8.121 86.904,8.121 86.433,8.592 86.433,9.333 v1(86.45,9.35)
WF_RXD: J2.2 R30.1 U8.37 | length 32.5
  Top Layer w0.254: J2.2@26.416,54.375 26.499,54.292 27.698,54.292 29.439,56.032 29.464,56.032 29.718,56.286 R30.1@29.718,56.312 ; U8.37@45.677,64.654 45.695,64.671 v1(45.695,67.97)
  Bottom Layer w0.254: J2.2@26.416,54.276 27.745,55.606 40.11,67.97 v1(45.695,67.97)
WF_SW_STATUS: C36.2 R25.1 SW4.1 SW4.2 U8.26 | length 120.2
  Top Layer w0.203: v1(90.525,8.8) 90.525,3.897 SW4.2@90.55,3.872
  Top Layer w0.254: U8.26@59.627,62.889 v1(59.627,65.761) ; R25.1@85.3,6.453 C36.2@85.3,5.525 SW4.1@85.3,3.872 86.478,3.872 86.675,3.675 89.225,3.675 89.422,3.872 SW4.2@90.55,3.872
  Bottom Layer w0.254: v1@59.69,65.761 61.601,65.761 67.189,71.349 91.601,71.349 98.175,64.775 98.175,13.5 93.475,8.8 v1(90.525,8.8)
WF_TXD: J2.1 R29.1 U8.36 | length 32.7
  Top Layer w0.254: J2.1@26.416,56.915 28.784,56.915 29.705,57.836 R29.1@29.705,57.861 ; v1(46.888,67.97) 46.888,64.712 U8.36@46.947,64.654
  Bottom Layer w0.254: J2.1@26.416,56.915 27.815,56.915 39.556,68.656 46.203,68.656 v1(46.888,67.97)
pads on no net: H1.1 H2.1 H3.1 H4.1 J3.1 J3.6 J3.8 J3.23 J3.24 J4.5 J4.6 J4.7 J4.8 J6. LCD1.9 LCD1.NC SW1.3 SW4.5 SW4.6 U2.2 U5.1 U5.7 U7.4 U7.28 U7.29 U7.30 U7.38 U8.12 U8.13 U8.14 U8.15 U8.28 U8.29 U8.30 U8.38 U16.7 U22.1 U22.3 U22.4 U22.5 U22.6 U22.7 U22.8 U22.9 U22.10 U22.11 U22.12 U23.5 U24.5

## Polygon pours and split planes (outlines as drawn)
GND on Top Layer "GND_L01_P057" (solid, remove dead copper, pour order 57): 53.768,85.268 55.368,85.268 55.975,85.875 55.975,91.175 56.55,91.75 62.575,91.75 62.8,91.975 62.775,92 62.775,96.222 63.236,96.682 67.293,96.682 67.3,96.675 67.425,96.8 67.425,98.925 67.437,98.937 67.437,100 4,100 ccw(c4,96) 0,96 0,4 ccw(c4,4) 4,0 96,0 ccw(c96,4) 100,4 100,73.431 94.615,73.431 93.955,72.771 58.598,72.771 57.937,73.431 50.8,73.431 50.089,74.143 50.089,85.039 50.317,85.268
VCC on Top Layer "VCC_L01_P027" (solid, remove dead copper, pour order 27): 23.647,89.941 23.698,89.941 cw(c23.698,89.764) 23.876,89.764 23.876,76.124 cw(c23.52,76.124) 23.52,75.768 12.852,75.768 cw(c12.852,76.048) 12.573,76.048 12.573,80.112 cw(c12.776,80.112) 12.776,80.315 21.057,80.315 ccw(c21.057,80.62) 21.361,80.62 21.361,86.589 cw(c21.692,86.589) 21.692,86.919 22.377,86.919 ccw(c22.377,87.02) 22.479,87.02 22.479,89.789 cw(c22.631,89.789) 22.631,89.941 23.647,89.941 ccw(c23.647,89.967) 23.673,89.967
NetC1_2 on Top Layer "NETC1_2_L01_P004" (solid, remove dead copper, pour order 4): 26.841,97.072 cw(c27.163,96.751) 27.163,97.206 30.607,97.206 30.879,97.478 30.879,98.545 cw(c31.115,98.545) 31.115,98.781 34.9,98.781 cw(c34.9,98.577) 35.103,98.577 35.103,94.971 cw(c34.646,94.971) 34.646,94.513 26.725,94.513 ccw(c26.725,94.052) 26.264,94.052 26.264,91.872 cw(c26.01,91.872) 26.01,91.618 25.476,91.618 cw(c25.476,91.897) 25.197,91.897 25.197,94.134 ccw(c24.741,94.134) 24.741,94.59 24.181,94.59 cw(c24.181,94.793) 23.978,94.793 23.978,96.444 cw(c24.206,96.444) 24.206,96.672 26.064,96.672 ccw(c26.064,97.583) 26.708,96.939
NetC2_2 on Top Layer "NETC2_2_L01_P006" (solid, remove dead copper, pour order 6): 53.137,94.64 cw(c52.984,94.64) 52.984,94.488 52.565,94.488 44.298,94.488 ccw(c44.298,94.336) 44.145,94.336 44.145,91.707 cw(c44.044,91.707) 44.044,91.605 43.142,91.605 cw(c43.142,91.694) 43.053,91.694 43.053,94.431 ccw(c42.907,94.431) 42.907,94.577 42.062,94.577 cw(c42.062,94.729) 41.91,94.729 41.91,97.003 cw(c42.088,97.003) 42.088,97.18 43.586,97.18 48.527,97.18 ccw(c48.527,97.422) 48.768,97.422 48.768,98.565 cw(c49.06,98.565) 49.06,98.857 52.819,98.857 cw(c52.819,98.539) 53.137,98.539
GND on Top Layer "GND_L01_P058" (solid, remove dead copper, pour order 58): 75.438,90.018 75.895,90.018 cw(c75.895,89.764) 76.124,89.874 76.124,89.332 76.124,74.498 cw(c74.625,74.498) 74.625,73 59.665,73 58.141,74.524 58.141,88.849 58.141,89.383 cw(c58.776,89.383) 58.776,90.018 59.309,90.018
3V3 on Top Layer "3V3_L01_P061" (solid, remove dead copper, pour order 61): 52.85,21.5 53.175,21.825 55.075,21.825 55.35,21.55 55.35,19.45 55.1,19.2 53.1,19.2 52.85,19.45
5V on Top Layer "5V_L01_P047" (solid, remove dead copper, pour order 47): 32.893,78.613 33.02,78.74 33.274,78.74 35.433,78.74 35.814,79.121 35.814,83.947 35.941,84.074 38.354,84.074 38.481,83.947 38.481,77.343 38.354,77.216 30.226,77.216 30.099,77.343 30.099,78.486 30.226,78.613
12V on Top Layer "12V_L01_P053" (solid, remove dead copper, pour order 53): 67.8,27 68,27.2 70.3,27.2 70.5,27 70.5,25 70.3,24.8 68,24.8 67.8,25 67.8,26.4
NetC75_2 on Top Layer "NETC75_2_L01_P049" (solid, remove dead copper, pour order 49): 53.68,6.412 53.739,6.471 54.357,6.471 54.442,6.386 54.442,1.941 54.365,1.865 53.222,1.865 53.146,1.941 53.146,3.084 53.375,3.313 53.375,4.329 53.68,4.634
3V3 on Top Layer "3V3_L01_P052" (solid, remove dead copper, pour order 52): 29.3,50.6 29.3,55.1 29.775,55.575 30.6,55.575 30.75,55.725 30.75,58.3 30.925,58.475 31.7,58.475 31.875,58.3 31.875,50.65 31.65,50.425 29.475,50.425
NetF1_1 on Top Layer "NETF1_1_L01_P028" (solid, remove dead copper, pour order 28): 14.554,91.516 cw(c14.935,91.516) 14.935,91.897 17.577,91.897 cw(c17.577,91.592) 17.882,91.592 17.882,88.189 ccw(c18.11,88.189) 18.11,87.96 20.904,87.96 cw(c20.904,87.732) 21.133,87.732 21.133,85.75 cw(c20.98,85.75) 20.98,85.598 14.91,85.598 cw(c14.91,85.954) 14.554,85.954
3V3 on Top Layer "3V3_L01_P021" (solid, remove dead copper, pour order 21): 64.795,66.04 64.719,65.964 64.719,65.075 64.77,65.024 72.263,65.024 72.314,65.075 72.314,65.811 72.085,66.04
3V3 on Top Layer "3V3_L01_P019" (solid, remove dead copper, pour order 19): 45.872,44.425 45.669,44.221 45.669,43.002 45.364,42.697 42.494,42.697 42.215,42.418 42.215,40.894 42.291,40.818 46.914,40.818 47.066,40.97 47.066,44.348 46.99,44.425
5V on Top Layer "5V_L01_P017" (solid, remove dead copper, pour order 17): 1.473,61.646 1.626,61.798 4.521,61.798 5.74,63.017 9.423,63.017 9.728,62.713 9.728,60.35 9.474,60.096 4.674,60.096 4.013,59.436 1.626,59.436 1.473,59.588
3V3 on Top Layer "3V3_L01_P007" (solid, remove dead copper, pour order 7): 48.844,89.484 ccw(c49.047,89.484) 49.047,89.281 50.14,89.281 cw(c50.14,89.154) 50.267,89.154 50.267,85.598 ccw(c50.419,85.598) 50.419,85.446 55.067,85.446 55.407,85.448 ccw(c55.407,85.54) 55.499,85.54 55.499,85.877 55.499,92.1 55.499,92.405 ccw(c55.27,92.405) 55.27,92.634 49.047,92.634 48.844,92.431
12V on Top Layer "12V_L01_P005" (solid, remove dead copper, pour order 5): 30.912,92.532 cw(c31.115,92.532) 31.115,92.735 35.331,92.735 cw(c35.331,91.186) 36.881,91.186 36.881,85.192 cw(c36.627,85.192) 36.627,84.938 32.563,84.938 cw(c32.563,85.496) 32.004,85.496 32.004,89.154 ccw(c31.775,89.154) 31.775,89.383 31.217,89.383 cw(c31.217,89.687) 30.912,89.687
3V3 on PWR "3V3_L03_P054" (solid, remove dead copper, pour order 54): 27.725,6.133 ccw(c28.458,6.133) 28.458,5.4 41.575,5.4 65.075,28.9 75.21,28.9 ccw(c75.205,29.795) 76.1,29.8 76.1,45.4 cw(c77,45.4) 77,46.3 89,46.3 ccw(c89,47.1) 89.8,47.1 89.8,57.5 ccw(c88.9,57.5) 88.9,58.4 77.5,58.4 59.5,76.4 59.5,90.983 ccw(c58.083,90.983) 58.083,92.4 49.7,92.4 ccw(c49.7,91.7) 49,91.7 49,60.862 cw(c46.838,60.862) 46.838,58.7 28.005,58.7 ccw(c28.005,58.42) 27.725,58.42
5V on PWR "5V_L03_P050" (solid, remove dead copper, pour order 50): 24.375,79.68 cw(c24.629,79.68) 24.629,79.934 24.638,79.934 35.66,79.934 35.671,79.934 ccw(c35.671,80.077) 35.814,80.077 35.814,83.864 cw(c36.024,83.864) 36.025,84.074 38.275,84.074 cw(c38.275,83.868) 38.481,83.868 38.481,77.343 38.475,77.337 38.475,59.953 cw(c38.022,59.953) 38.021,59.5 1.435,59.5 cw(c1.435,60.21) 0.725,60.21 0.725,62.475 cw(c1.275,62.475) 1.275,63.025 4.785,63.025 4.792,63.017 23.647,63.017 ccw(c23.647,63.745) 24.375,63.745
12V on PWR "PWR-12V" (solid, remove dead copper, pour order 42): 73.177,78.054 cw(c72.974,78.054) 72.974,77.851 67.132,77.851 cw(c67.132,78.054) 66.929,78.054 66.929,93.828 ccw(c66.091,93.828) 66.091,94.666 65.938,94.666 36.627,94.666 ccw(c36.627,94.26) 36.22,94.259 36.22,92.456 36.22,92.151 ccw(c36.525,92.151) 36.525,91.846 37.516,91.846 cw(c37.516,91.669) 37.694,91.669 37.694,90.983 37.694,84.938 cw(c37.338,84.937) 37.338,84.582 30.251,84.582 cw(c30.251,85.217) 29.616,85.217 29.616,96.799 cw(c30.328,96.799) 30.205,97.5 72.832,97.5 cw(c72.832,97.155) 73.177,97.155
3V3 on PWR "3V3_L03_P039" (solid, remove dead copper, pour order 39): 13.868,58.014 cw(c13.868,57.582) 14.3,57.582 14.3,9.601 cw(c13.145,9.588) 13.157,8.433 1.118,8.433 cw(c1.118,9.119) 0.432,9.119 0.432,57.658 cw(c0.787,57.658) 0.787,58.014
3V3 on PWR "3V3_L03_P055" (solid, remove dead copper, pour order 55): 78.7,6.542 ccw(c78.842,6.542) 78.842,6.4 89.3,6.4 93.6,10.7 93.6,13.385 ccw(c93.185,13.385) 93.185,13.8 78.849,13.8 ccw(c78.849,13.651) 78.7,13.651
-12V on PWR "-12V_L03_P048" (solid, remove dead copper, pour order 48): 46.101,78.105 46.101,74.168 46.355,73.914 48.514,73.914 48.768,74.168 48.768,78.105 48.514,78.359 46.355,78.359
GND on GND "GND_L02_P059" (solid, remove dead copper, pour order 59): 96,0 ccw(c96,4) 100,4 100,65 82.5,65 75,72.5 56.253,72.5 55,73.753 55,88.782 56.218,90 66.305,90 67.5,91.121 67.5,100 4,100 ccw(c4,96) 0,96 0,4 ccw(c4,4) 4,0
GND on GND "GND_L02_P029" (solid, remove dead copper, pour order 29): 96,0 ccw(c96,4) 100,4 100,65 82.5,65 75,72.5 56.253,72.5 55,73.753 55,88.782 56.218,90 65.26,90 67.5,92.1 67.5,100 4,100 ccw(c4,96) 0,96 0,4 ccw(c4,4) 4,0
GND on Bottom Layer "GND_L04_P026" (solid, remove dead copper, pour order 26): 77.775,74.219 79.172,72.822 93.98,72.822 95.377,74.219 100,74.219 100,4 cw(c96,4) 96,0 4,0 cw(c4,4) 0,4 0,96 cw(c4,96) 4,100 63.017,100 63.017,89.357 58.928,85.268 50.622,85.268 50.089,84.734 50.089,74.905 50.775,74.219

## Silkscreen, mask and mechanical layers (free items; w line width, h text height)
Bottom Overlay:
  text "DIN" at 86.172,97.331 h2.54
  text "-" at 78.028,94.336 h1.27
  text "+" at 81.838,94.336 h1.27
  text "-" at 85.648,94.336 h1.27
  text "+" at 89.458,94.336 h1.27
  text "Designed by Đ.Khoa & Q.Thang" at 54.661,90.068 h2.54
  text "1" at 95.04,86.137 h1.27 r90
  text "DOUT" at 98.63,85.131 h2.54 r90
  text "2" at 95.04,78.67 h1.27 r90
  text "RS485" at 98.551,56.022 h2.54 r90
  text "TXD" at 23.212,56.019 h1.27 r270
  text "+" at 95.25,54.985 h1.27 r90
  text "RXD" at 23.212,52.755 h1.27 r270
  text "-" at 95.25,51.175 h1.27 r90
  text "GND" at 23.212,49.376 h1.27 r270
  text "CAN" at 98.551,46.955 h2.54 r90
  text "+" at 95.25,45.918 h1.27 r90
  text "-" at 95.25,42.108 h1.27 r90
  text "12V" at 95.272,37.724 h1.27 r90
  text "4-20mA" at 98.551,35.155 h2.54 r90
  text "OUT" at 95.256,33.924 h1.27 r90
  text "IN +" at 95.265,29.824 h1.27 r90
  text "IN -" at 95.265,26.105 h1.27 r90
  text "GND" at 95.339,20.574 h1.27 r90
  text "DHT22" at 98.551,19.675 h2.54 r90
  text "DATA" at 95.322,16.799 h1.27 r90
  text "3V3" at 95.34,12.894 h1.27 r90
  text "IN" at 63.131,5.04 h1.27
  text "GND" at 67.02,5.023 h1.27
  text "OUT" at 70.977,5.021 h1.27
  text "GND" at 75.04,5.023 h1.27
  text "GND" at 37.649,4.24 h1.27
  text "TXD" at 41.024,4.24 h1.27
  text "RXD" at 44.406,4.24 h1.27
  text "0-10V" at 71.422,1.724 h2.54